# KiCad board Keyboard.kicad_pcb (continued)
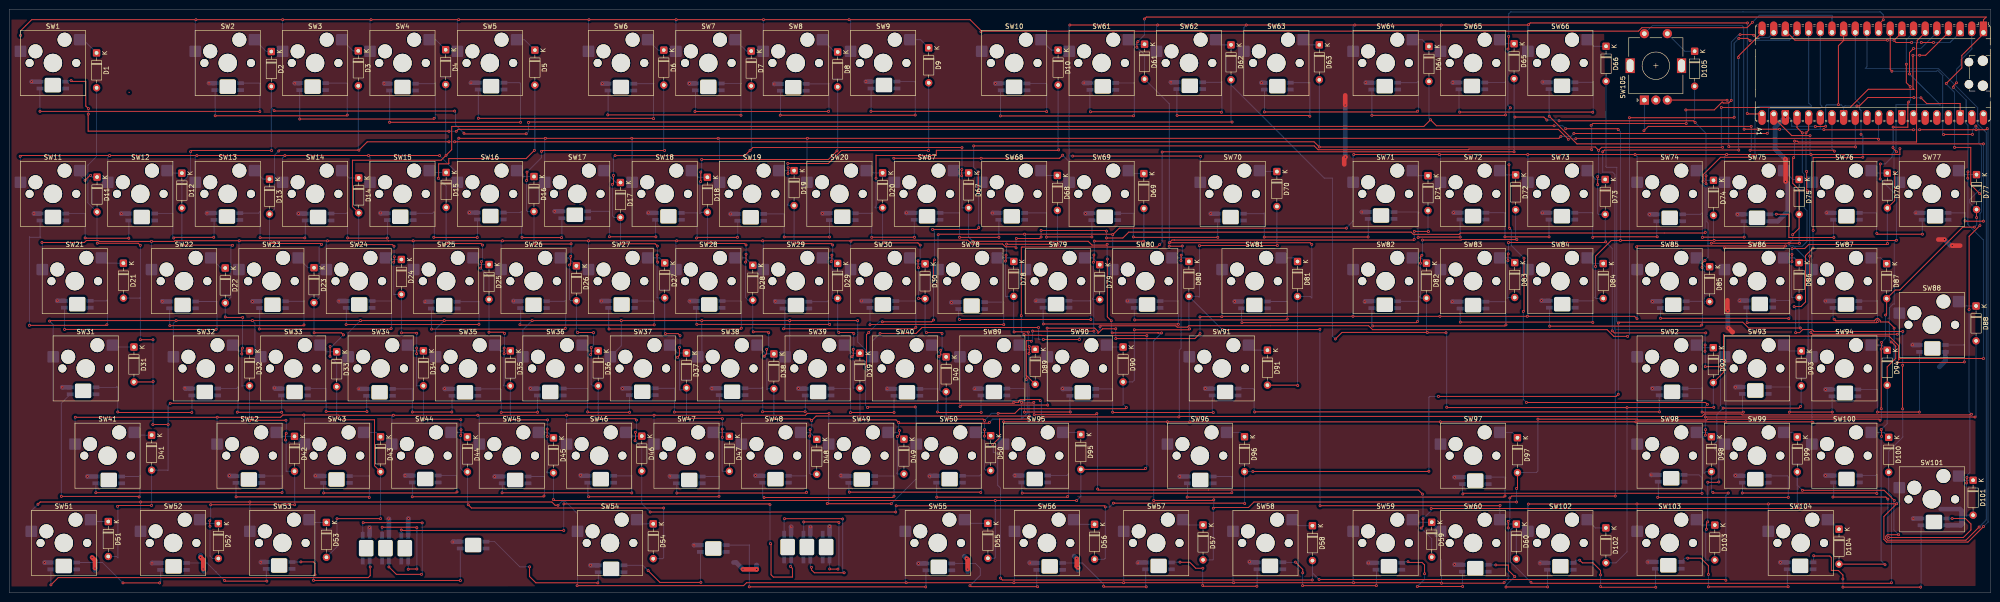
[diagram p0: board, top side]
## Routing (per net, layer and track width the routed paths; a pad name or vN(x,y) marks a point on that pad's centre or on a via; arc(x,y) is an arc through that point) (continued)
COL5: length 694.9
  Top w0.2: v1(328.06,96.28) 251.39,96.28 v1(251.33,96.22) ; v1(107.89,53.42) v1(107.89,52.2) ; v1(107.99,56.63) 107.74,56.89 v1(104.58,56.89) ; v1(109.31,37.76) 117.35,37.76 v1(117.36,37.75) ; v1(390.26,76.3) 390.24,76.32 v1(388.01,76.32) v1(371.07,76.32) ; v1(369.89,89.33) 369.89,91.03 v1(369.9,91.03) ; v1(102.75,70.89) 102.93,71.08 v1(102.93,72.3) ; v1(220.63,60.5) 220.63,75.36 220.77,75.5 220.79,75.49 250.25,75.49 v1(250.8,76.04) ; v1(367.53,102.67) 367.16,103.04 v1(337.86,103.04) ; v1(118.62,20.35) 118.84,20.14 v1(214.96,20.14) 214.96,20.15 v1(232.69,20.15) ; v1(369.04,71.04) 369.04,71.95 v1(369.65,72.56) ; D95.2 247.51,26.94 v1(247.72,27.15) ; v1(335.19,103.21) 334.55,103.85 v1(328.23,103.85) ; v1(114.48,96.59) 112.68,94.79 95.83,94.79 95.83,93.81 95.87,93.77 95.74,93.64 93.62,93.64 93.62,90.56 v1(93.55,90.49) ; 417.67,122.33 415.92,120.58 415.92,120.09 415.8,119.97 415.8,98.41 389.99,98.41 389.8,98.6 v1(389.2,98.6) ; v1(117.29,34.13) 117.27,34.15 v1(117.27,35.77) ; v1(248.01,56.14) 225.04,56.14 224.97,56.22 221.38,56.22 v1(221.22,56.38) ; v1(389,95) 388.8,94.8 388.8,89.4 390.19,88.01 D75.2 390.19,79.59 v1(388.79,78.19) ; v1(95.26,76.24) 102.86,76.24 v1(103.19,75.91)
  Bottom w0.2: v1(93.55,90.49) 95.25,88.78 D15.2 95.25,76.25 v1(95.26,76.24) ; v1(102.93,72.3) 103.19,72.55 v1(103.19,75.91) ; v1(102.75,70.89) 104.6,69.03 D25.2 104.6,56.91 v1(104.58,56.89) ; D85.2 369.55,63.57 369.54,63.57 369.54,63.26 369.54,70.53 v1(369.04,71.04) ; v1(369.65,72.56) 370.34,73.25 370.34,76.26 ; v1(390.26,76.3) 390.19,76.37 D75.2 ; v1(328.06,96.28) 328.06,103.68 v1(328.23,103.85) 328.05,104.04 D65.2 ; v1(389,95) 389.2,95.2 v1(389.2,98.6) ; D95.2 233.61,21.07 v1(232.69,20.15) ; v1(117.36,37.75) 117.37,37.73 117.37,35.87 v1(117.27,35.77) ; 370.34,76.26 370.34,80.77 370.09,81.01 370.09,89.13 v1(369.89,89.33) ; 370.34,76.26 371,76.26 v1(371.07,76.32) ; D5.2 114.6,96.71 v1(114.48,96.59) ; v1(250.8,76.04) 251.33,76.57 v1(251.33,96.22) ; v1(220.63,60.5) 220.63,56.97 v1(221.22,56.38) ; v1(337.86,103.04) 337.69,103.21 v1(335.19,103.21) ; v1(214.96,20.14) 214.96,7.71 214.8,7.55 D55.2 ; v1(107.89,52.2) 107.89,45.42 107.75,45.27 107.85,45.18 D35.2 109.25,37.82 v1(109.31,37.76) ; v1(107.89,53.42) 107.99,53.52 v1(107.99,56.63) ; D105.2 367.41,102.79 v1(367.53,102.67) 369.9,100.3 v1(369.9,91.03) ; v1(118.62,20.35) 118.65,20.38 D45.2 117.27,26.2 117.13,26.34 117.29,26.5 v1(117.29,34.13) ; v1(247.72,27.15) 248.01,27.44 v1(248.01,56.14) ; v1(388.01,76.32) 388.79,77.1 v1(388.79,78.19)
COL6: length 600.5
  Top w0.2: v1(122.41,73.46) 122.41,71.84 v1(122.13,71.56) ; v1(410.68,101.67) 410.71,101.64 413.89,101.64 413.89,106.95 v1(414.08,107.14) ; v1(142.87,96.56) 116.22,96.56 v1(116.04,96.38) ; v1(388.66,75.15) 391.41,75.15 392.28,76.02 409.25,76.02 v1(409.48,76.25) ; v1(193.35,18.99) 238.71,18.99 v1(238.95,18.75) ; v1(126.76,52) 126.88,52.13 v1(126.88,53.53) ; v1(411.42,96.28) 410.65,97.05 v1(410.65,97.21) ; v1(411.02,91.73) 411.02,85.61 D76.2 ; v1(269.34,19.48) 269.24,19.58 v1(240.72,19.58) ; v1(122.49,76.18) 122.45,76.14 v1(114.51,76.14) ; v1(413.56,115.4) 413.56,111.36 v1(414.4,110.52) ; v1(112.88,91.85) 112.88,90.12 v1(112.77,90.02) ; v1(388.63,72.28) v1(388.63,73.89) ; v1(139.72,17.64) v1(193.26,17.64) ; v1(350.77,58.91) 350.94,59.08 377.91,59.08 379.18,57.81 v1(390.46,57.81) ; v1(136.52,35.05) 136.52,33.29 v1(136.44,33.2) ; v1(350.77,43.36) 350.29,42.88 v1(311.56,42.88) ; v1(128.63,38) 136.46,38 v1(136.74,37.72) ; v1(127.38,56.8) 127.36,56.82 v1(123.92,56.82) ; v1(309.48,26.55) 309.42,26.48 v1(271.12,26.48)
  Bottom w0.2: v1(128.63,38) 128.4,38.22 D36.2 127.26,45.18 126.93,45.51 126.86,45.51 126.86,51.9 v1(126.76,52) ; v1(122.49,76.18) 122.49,73.54 v1(122.41,73.46) ; v1(114.51,76.14) 114.4,76.25 D16.2 112.98,83.25 112.77,83.46 v1(112.77,90.02) ; v1(388.63,73.89) 388.63,75.12 v1(388.66,75.15) ; v1(240.72,19.58) 239.89,18.75 v1(238.95,18.75) 238.95,7.47 238.81,7.47 238.66,7.33 D56.2 ; v1(193.35,18.99) 193.26,18.9 v1(193.26,17.64) ; v1(116.04,96.38) 116.04,95.01 v1(112.88,91.85) ; v1(136.52,35.05) 136.74,35.27 v1(136.74,37.72) ; D66.2 348.1,93.12 348.02,93.05 348.19,92.88 350.44,92.88 350.44,59.23 v1(350.77,58.91) 350.77,58.9 v1(350.77,43.36) ; 415.13,122.33 413.56,120.75 v1(413.56,115.4) ; v1(411.02,91.73) 410.87,91.88 410.87,95.72 v1(411.42,96.28) ; v1(414.4,110.52) 414.4,107.46 v1(414.08,107.14) ; D76.2 409.42,76.31 v1(409.48,76.25) ; v1(388.63,72.28) 388.53,72.18 388.53,64.53 388.6,64.47 D86.2 390.18,58.09 v1(390.46,57.81) ; v1(122.13,71.56) 122.13,64.05 122.43,63.75 D26.2 123.65,57.09 v1(123.92,56.82) ; v1(142.87,96.56) 142.7,96.73 D6.2 ; v1(410.65,97.21) 410.68,97.24 v1(410.68,101.67) ; v1(136.44,33.2) 137.9,31.74 D46.2 137.9,19.46 v1(139.72,17.64) ; v1(309.48,26.55) 309.48,42.68 309.48,42.68 309.68,42.88 v1(311.56,42.88) ; v1(269.34,19.48) 269.29,19.53 D96.2 271.09,26.46 v1(271.12,26.48) ; v1(126.88,53.53) 127.38,54.03 v1(127.38,56.8)
COL7: length 616.9
  Top w0.2: v1(262.48,18.47) 262.63,18.62 270.13,18.62 271.34,19.82 v1(328.6,19.82) ; v1(145.67,51.41) 146.1,51.84 v1(146.1,53.56) ; v1(133.3,76.2) 140.8,76.2 v1(141.3,75.7) ; 410.05,122.33 410.05,114.23 v1(410.41,113.87) ; v1(408.18,54.68) 408.18,53.32 v1(408.08,53.22) 408.08,40.21 v1(408.1,40.19) ; v1(207.64,91.04) 207.64,92.37 v1(207.67,92.39) ; v1(427.97,100.07) 421.71,100.07 v1(421.68,100.04) ; v1(251.21,56.73) 251.18,56.7 250.58,56.7 250.45,56.83 250.36,56.75 v1(240.44,56.75) ; v1(132.08,95.44) 160.35,95.44 v1(161.51,96.6) 162.11,97.2 v1(207.7,97.2) ; v1(249.5,20.18) 262.48,20.18 v1(262.6,20.3) ; v1(155.48,37.99) 155.37,38.1 v1(147.71,38.1) ; D77.2 428.86,81.94 v1(428.89,81.91) ; v1(240.25,59.38) 239.38,60.25 v1(239.38,72.87) ; v1(155.43,35.75) 155.43,33.97 v1(155.45,33.94) ; v1(409.03,60.64) 409.27,60.87 D87.2 411.14,66.1 412.13,66.1 425.85,79.83 v1(428.39,79.83) ; v1(131.5,89.17) 131.72,89.4 v1(131.72,91.11) ; v1(210.05,76.74) 235.22,76.74 236.06,75.91 239.16,75.91 v1(239.35,76.09) ; v1(141.23,73.72) 141.23,72.35 v1(141.39,72.19) ; v1(407.84,37.69) 407.61,37.92 370.24,37.92 370.05,37.73 355.05,37.73 354.87,37.92 v1(333.25,37.92) ; v1(143.04,56.58) 145.82,56.58 v1(146.25,56.15) ; v1(328.6,22.78) 328.79,22.97 D97.2
  Bottom w0.2: v1(240.44,56.75) 240.25,56.94 v1(240.25,59.38) ; v1(210.05,76.74) 209.15,77.64 D67.2 207.74,84.04 207.73,84.04 207.73,90.95 v1(207.64,91.04) ; v1(145.67,51.41) 146.16,50.92 146.16,44.31 147.22,44.31 D37.2 147.65,38.16 v1(147.71,38.1) ; v1(428.89,81.91) 428.89,80.32 v1(428.39,79.83) ; v1(207.7,97.2) 207.7,92.43 v1(207.67,92.39) ; v1(131.5,89.17) 131.5,82.3 131.85,81.95 D17.2 133.25,76.24 v1(133.3,76.2) ; v1(408.18,54.68) 409.03,55.53 v1(409.03,60.64) ; v1(155.48,37.99) 155.48,35.8 v1(155.43,35.75) ; v1(408.1,40.19) 408.1,37.95 v1(407.84,37.69) ; D97.2 332.89,26.24 333.25,26.6 v1(333.25,37.92) ; v1(161.51,96.6) 161.75,96.84 D7.2 ; v1(146.25,56.15) 146.25,53.72 v1(146.1,53.56) ; v1(410.41,113.87) 420.16,113.87 420.36,114.07 421.51,112.92 421.51,100.21 v1(421.68,100.04) ; v1(427.97,100.07) 427.97,101.14 v1(428.72,101.9) 428.82,101.9 429.38,101.34 429.38,98.14 429.97,97.56 429.97,88.43 427.37,85.83 427.37,85.16 D77.2 ; v1(251.21,56.73) 249.5,55.02 v1(249.5,20.18) ; v1(141.39,72.19) 141.23,72.04 141.23,64.45 141.26,64.45 141.32,64.39 D27.2 142.9,56.72 v1(143.04,56.58) ; v1(141.3,75.7) 141.3,73.79 v1(141.23,73.72) ; v1(132.08,95.44) 131.72,95.08 v1(131.72,91.11) ; v1(239.35,76.09) 239.35,72.9 v1(239.38,72.87) ; v1(262.6,20.3) 262.6,18.59 v1(262.48,18.47) 262.48,7.29 262.38,7.19 D57.2 ; v1(328.6,22.78) v1(328.6,19.82) ; D47.2 155.56,26.55 155.52,26.59 155.41,26.59 155.41,33.9 v1(155.45,33.94)
COL8: length 792.3
  Top w0.2: v1(222.36,53.79) 222.36,52.28 v1(222.32,52.23) ; v1(166.69,37.97) 174.59,37.97 v1(174.93,37.62) 175.89,38.58 v1(222.41,38.58) 222.41,37.84 222.37,37.79 222.22,37.94 215.87,37.94 215.9,37.91 215.9,33.89 v1(214.41,32.4) ; v1(174.51,34.21) 174.6,34.3 v1(174.6,35.62) ; v1(162.2,56.96) 165.38,56.96 v1(165.58,56.77) ; v1(164.58,51.67) 165.12,52.21 v1(165.12,53.16) ; v1(326.72,118.69) 326.88,118.85 v1(326.88,121.46) ; v1(217.42,76.13) 217.46,76.09 v1(228.65,76.09) ; 407.51,122.33 407.51,124.06 v1(408.54,125.09) ; v1(326.95,93.45) 326.95,79.71 v1(327.1,79.56) ; v1(180.45,96.47) 178.58,94.6 v1(150.96,94.6) ; v1(216.09,3.22) 216.5,2.81 v1(284.05,2.81) ; v1(160.63,75.94) 160.33,76.24 v1(152.11,76.24) ; v1(150.76,91.85) 150.76,89.82 v1(150.73,89.79) ; v1(217.18,72.42) 217.3,72.54 v1(217.3,73.72) ; v1(330.22,73.06) 330.22,61.58 v1(330.07,61.43) ; v1(374.22,2.75) 374.06,2.91 v1(285.55,2.91) ; v1(370.19,41.15) 369.78,41.56 v1(330.74,41.56) ; v1(374.74,21.79) 371.51,21.79 v1(371.38,21.92) ; v1(222.16,56.91) 222.09,56.98 219.09,56.98 v1(219.06,56.95) ; v1(428.54,38.38) v1(369.73,38.38) ; v1(369.8,35.62) 369.8,34.44 v1(369.77,34.41) ; v1(160.63,73.92) 160.63,72.3 v1(160.52,72.19)
  Bottom w0.2: v1(222.41,38.58) 222.32,38.68 v1(222.32,52.23) ; v1(327.1,79.56) 327.43,79.23 327.43,75.85 v1(330.22,73.06) ; v1(222.36,53.79) 222.16,53.99 v1(222.16,56.91) ; v1(370.19,41.15) 369.73,40.69 v1(369.73,38.38) 369.73,35.68 v1(369.8,35.62) ; v1(214.41,32.4) 214.53,32.27 214.53,30.62 215.01,30.62 215.52,30.11 215.48,30.06 215.48,23.48 216.09,22.87 v1(216.09,3.22) ; v1(217.18,72.42) 217.18,64.72 217.32,64.59 217.45,64.72 D78.2 218.99,57.02 v1(219.06,56.95) ; v1(150.96,94.6) 150.96,92.05 v1(150.76,91.85) ; v1(326.95,93.45) 326.94,93.46 326.94,105.57 v1(327.24,105.87) 326.72,106.39 v1(326.72,118.69) ; v1(150.73,89.79) 150.57,89.63 150.57,82.79 150.87,83.09 D18.2 152.2,76.33 v1(152.11,76.24) ; v1(217.42,76.13) 217.42,73.83 v1(217.3,73.72) ; v1(369.77,34.41) 369.39,34.03 369.39,26.13 369.54,26.13 369.86,26.45 D98.2 371.07,22.23 v1(371.38,21.92) ; v1(228.65,76.09) 228.5,76.24 D68.2 ; v1(165.12,53.16) 165.58,53.61 v1(165.58,56.77) ; v1(160.63,75.94) v1(160.63,73.92) ; v1(330.74,41.56) 330.07,42.23 v1(330.07,61.43) ; v1(374.74,21.79) 374.22,21.27 v1(374.22,2.75) ; v1(164.58,51.67) 165.17,51.08 165.17,44.42 165.23,44.42 165.35,44.54 D38.2 166.7,37.97 v1(166.69,37.97) ; D88.2 428.76,38.6 v1(428.54,38.38) ; D48.2 174.69,25.89 174.5,26.07 174.42,26.07 174.42,34.12 v1(174.51,34.21) ; v1(408.54,125.09) 408.54,126.2 407.93,126.81 327.34,126.81 326.88,126.35 v1(326.88,121.46) ; v1(174.6,35.62) 174.93,35.95 v1(174.93,37.62) ; v1(284.05,2.81) 284.1,2.85 D58.2 284.1,4.36 v1(285.55,2.91) ; v1(180.45,96.47) 180.6,96.62 D8.2 ; v1(160.52,72.19) 160.52,64.45 161.08,63.89 D28.2 162.1,57.06 v1(162.2,56.96)
COL9: length 648.7
  Top w0.2: v1(236.45,57.11) 223.12,57.11 v1(223.09,57.14) ; v1(223.37,41.59) 223.23,41.45 220.8,41.45 v1(220.66,41.59) ; v1(236.36,72.16) 236.45,72.26 v1(236.45,73.74) ; 221.79,47.4 221.72,47.47 221.72,54.98 221.78,55.05 222.69,55.05 v1(222.82,54.92) ; 221.79,47.4 221.79,46.63 v1(221.72,46.56) ; 221.79,47.4 D89.2 ; v1(237.1,39.12) 236.86,38.88 223.44,38.88 v1(223.44,38.88) ; v1(171.06,76.22) 179.22,76.22 v1(179.51,75.93) ; v1(179.19,72.32) 179.35,72.48 v1(179.35,73.72) ; v1(169.8,92.82) 169.8,91.56 v1(169.77,91.53) ; v1(194.07,35.4) 194.07,34.6 v1(193.61,34.14) ; v1(411.9,12.69) 409.42,12.69 409.07,12.33 409.07,11.84 409.42,11.49 426.55,11.49 v1(429.43,14.37) ; v1(183.74,51.54) 184,51.8 v1(184,53.15) ; v1(390.3,18.5) 390.2,18.4 v1(309.98,18.4) ; v1(169.74,93.72) 178.58,93.72 181.39,96.53 v1(200.39,96.53) ; v1(308.08,21.56) 307.18,22.45 261.47,22.45 261.47,22.45 237.47,22.45 v1(237.26,22.66) ; v1(308.21,16.17) 308.21,14.56 v1(307.79,14.14) ; v1(410.92,20.18) 408.71,22.39 v1(390.91,22.39) ; v1(184.13,56.6) 183.9,56.83 v1(180.83,56.83) ; v1(247.34,76.78) v1(236.54,76.78) ; v1(213.7,37.22) 213.52,37.03 194.05,37.03 v1(193.9,37.18) 193.32,37.76 v1(185.67,37.76)
  Bottom w0.2: v1(184.13,56.6) 184.13,53.28 v1(184,53.15) ; v1(237.26,22.66) 237.26,38.95 v1(237.1,39.12) ; D69.2 247.35,76.79 v1(247.34,76.78) ; D9.2 200.45,96.59 v1(200.39,96.53) ; v1(171.06,76.22) 171.1,76.27 D19.2 169.81,84.55 169.67,84.69 169.77,84.79 v1(169.77,91.53) ; 220.65,37.92 214.4,37.92 v1(213.7,37.22) ; 220.65,37.92 221.91,39.19 221.91,46.36 v1(221.72,46.56) ; 220.65,37.92 220.66,37.94 v1(220.66,41.59) ; v1(236.45,73.74) 236.54,73.83 v1(236.54,76.78) ; D59.2 310.1,11.83 v1(307.79,14.14) ; v1(411.9,12.69) 410.84,13.75 410.84,20.1 v1(410.92,20.18) ; v1(180.83,56.83) 180.6,57.06 D29.2 179.45,64.29 179.45,64.28 179.45,72.06 v1(179.19,72.32) ; v1(236.36,72.16) 236.36,64.4 236.15,64.19 236.32,64.02 236.43,64.02 ; v1(169.8,92.82) 169.74,92.89 v1(169.74,93.72) ; v1(223.44,38.88) 223.44,41.52 v1(223.37,41.59) ; 404.97,122.33 404.97,114.84 404.6,114.47 420.53,114.47 429.13,105.87 429.13,102.34 430.97,100.5 430.97,15.91 v1(429.43,14.37) ; v1(179.35,73.72) 179.51,73.88 v1(179.51,75.93) ; 236.43,64.02 D79.2 ; 236.43,64.02 236.43,57.14 v1(236.45,57.11) ; v1(308.08,21.56) 308.21,21.43 v1(308.21,16.17) 309.98,17.95 v1(309.98,18.4) ; v1(185.67,37.76) 185.45,37.98 D39.2 184,44.69 183.96,44.73 183.96,51.31 v1(183.74,51.54) ; v1(194.07,35.4) 193.9,35.56 v1(193.9,37.18) ; D49.2 193.64,25.95 193.48,26.11 193.61,26.24 v1(193.61,34.14) ; v1(390.91,22.39) 389.79,23.51 D99.2 389.79,19.01 v1(390.3,18.5) ; v1(222.82,54.92) 223.09,55.2 v1(223.09,57.14)
COL10: length 637.3
  Top w0.2: v1(212.6,37.63) 212.3,37.92 v1(204.53,37.92) ; v1(198.59,75.91) 198.11,76.39 v1(190.62,76.39) ; v1(412.74,40.16) 412.74,49.66 v1(412.76,49.68) ; v1(199.95,56.8) 203.17,56.8 v1(203.37,56.61) ; v1(403.69,100.1) 403.78,100.01 ; v1(325,19.08) 324.94,19.01 v1(285.76,19.01) ; v1(245.27,57.42) 257.12,57.42 v1(257.31,57.61) ; v1(389.43,56.79) 390.29,56.79 390.96,57.46 393,57.46 393.4,57.06 v1(412.79,57.06) ; v1(393.23,75.26) 391.57,73.6 391.57,63.56 391.61,63.52 390.58,62.49 v1(389.1,62.49) ; v1(276.44,75.82) 259.51,75.82 v1(259.47,75.78) ; v1(228.79,96.69) 228.69,96.6 202.1,96.6 202.1,95.47 189.03,95.47 188.97,95.53 v1(188.97,90.5) ; v1(285.73,57.54) 285.66,57.48 v1(264.46,57.48) ; v1(404.08,95.08) 404.01,95.01 393.24,95.01 393.24,79.13 v1(393.25,79.12) ; v1(215.58,39.19) 219.23,39.19 220.23,40.19 243.27,40.19 v1(243.53,40.45) ; v1(198.24,70.97) 198.13,71.07 v1(198.13,72.48) ; v1(202.71,51.63) 203.07,51.99 v1(203.07,52.96) ; v1(212.63,35.62) 212.63,34.25 v1(212.6,34.21) ; v1(331.73,2.31) 331.96,2.09 410.2,2.09 v1(410.32,2.2) ; v1(198.24,64.26) 199.58,64.26 D30.2
  Bottom w0.2: v1(198.24,70.97) v1(198.24,64.26) ; v1(199.95,56.8) 199.65,57.1 D30.2 ; v1(285.76,19.01) 285.73,19.05 v1(285.73,57.54) ; v1(412.74,40.16) 412.79,40.11 412.79,33.99 409.72,30.92 D100.2 409.72,21.75 410.32,21.16 v1(410.32,2.2) ; v1(203.07,52.96) 203.37,53.25 v1(203.37,56.61) ; v1(228.79,96.69) 228.65,96.83 D10.2 ; v1(331.73,2.31) 327.28,6.77 327.28,13.83 327.37,13.83 D60.1 ; v1(245.27,57.42) 245.27,46.42 244.9,46.04 D90.2 242.82,41.16 v1(243.53,40.45) ; D70.2 276.35,75.91 v1(276.44,75.82) ; D60.1 D60.2 ; D60.1 325.9,15.01 SW60.2 324.94,19.02 v1(325,19.08) ; v1(393.23,75.26) 393.23,79.1 v1(393.25,79.12) ; v1(264.46,57.48) 264.41,57.48 D80.2 ; v1(404.08,95.08) 404.08,99.71 v1(403.69,100.1) 403.69,105.28 403.38,105.59 403.38,106.81 402.43,107.76 402.43,122.33 ; v1(257.31,57.61) 257.17,57.75 D80.2 ; v1(212.63,35.62) 212.6,35.65 v1(212.6,37.63) 214.15,39.19 v1(215.58,39.19) ; v1(412.76,49.68) 412.76,57.03 v1(412.79,57.06) ; D50.2 213.85,26.79 212.85,26.79 212.6,27.05 v1(212.6,34.21) ; v1(198.59,75.91) 198.59,72.95 v1(198.13,72.48) ; v1(188.97,90.5) 188.97,84.4 188.74,84.17 188.87,84.05 D20.2 190.4,76.61 v1(190.62,76.39) ; v1(389.1,62.49) 389.43,62.16 v1(389.43,56.79) ; D80.2 259.2,64.72 259.34,64.58 259.47,64.58 v1(259.47,75.78) ; v1(202.71,51.63) 202.85,51.49 202.85,44.32 203.17,43.99 204.15,43.99 D40.2 204.25,38.2 v1(204.53,37.92)
RGB: length 412.8
  Top w0.2: v1(17.27,105.7) 16.7,106.27 16.7,111.64 13.69,111.64 v1(13.5,111.83) ; v1(339.88,99.01) 337.71,101.18 97.88,101.18 v1(97.45,100.75) ; v1(341.49,99.11) 341.59,99.21 407.32,99.21 v1(407.52,99.01) ; v1(17.24,104.5) 17.21,104.47 17.21,100.78 95.84,100.78 v1(95.87,100.76)
  Bottom w0.2: v1(339.88,99.01) 339.98,99.11 v1(341.49,99.11) ; v1(95.87,100.76) 95.88,100.75 v1(97.45,100.75) ; v1(407.52,99.01) 407.51,99.02 A1.31 ; L1.4 12.56,111.83 v1(13.5,111.83) ; v1(17.24,104.5) 17.24,105.67 v1(17.27,105.7)
ROW1: length 467.1
  Top w0.2: v1(2.47,121.68) 2.47,122.68 4.91,125.12 v1(40.72,125.12) v1(59.63,125.12) v1(78.89,125.12) v1(97.96,125.12) v1(126.39,125.12) v1(145.4,125.12) v1(164.44,125.12) v1(183.1,125.12) 209.47,125.12 211.84,122.74 v1(211.84,122.5) 211.95,122.62 355.18,122.62 355.92,123.36 378.82,123.36 v1(380,124.54)
  Bottom w0.2: v1(164.44,125.12) 164.38,125.06 SW8.1 ; SW9.1 183.43,124.79 v1(183.1,125.12) ; v1(40.72,125.12) 40.55,124.95 SW2.1 ; SW5.1 97.7,124.85 v1(97.96,125.12) ; SW6.1 126.28,125 v1(126.39,125.12) ; v1(145.4,125.12) 145.33,125.04 SW7.1 ; v1(211.84,122.5) 212,122.34 SW10.1 ; SW3.1 59.6,125.09 v1(59.63,125.12) ; SW4.1 78.65,124.88 v1(78.89,125.12) ; v1(2.47,121.68) 2.45,121.65 SW1.1 ; v1(380,124.54) 381.53,126.07 397.38,126.07 397.38,125.45 397.35,125.42 397.35,122.33
ROW2: length 496.4
  Top w0.2: v1(98.02,99.25) 98.05,99.22 v1(116.88,99.22) v1(135.73,99.22) v1(154.55,99.22) v1(174.01,99.22) 337.83,99.22 v1(338.26,99.65) ; v1(93.83,95.46) v1(78.33,95.46) v1(60.11,95.46) v1(40.92,95.46) v1(21.88,95.46) 2.56,95.46 v1(2.39,95.29) ; v1(383.26,100.31) 383.23,100.28 v1(341.09,100.28)
  Bottom w0.2: v1(135.73,99.22) 135.8,99.15 SW18.1 ; v1(341.09,100.28) 340.46,99.65 v1(338.26,99.65) ; 394.81,122.33 394.81,106.61 395.19,106.23 394.76,105.8 383.5,105.8 383.5,100.55 v1(383.26,100.31) ; SW20.1 173.9,99.12 v1(174.01,99.22) ; v1(60.11,95.46) 59.6,94.95 SW14.1 ; SW11.1 2.45,95.22 v1(2.39,95.29) ; SW13.1 40.55,95.09 v1(40.92,95.46) ; SW15.1 78.65,95.13 v1(78.33,95.46) ; v1(154.55,99.22) 154.85,98.92 SW19.1 ; v1(93.83,95.46) 97.7,91.58 SW16.1 97.7,98.93 v1(98.02,99.25) ; SW12.1 21.5,95.08 v1(21.88,95.46) ; SW17.1 116.75,99.09 v1(116.88,99.22)
ROW3: length 497.2
  Top w0.2: v1(224.95,77.68) 224.61,77.34 v1(219.55,77.34) ; v1(239.19,78.96) 239.04,79.11 v1(224.95,79.11) ; v1(369.27,89.86) 369.27,91.28 373.07,95.08 v1(380.03,95.08) ; v1(369.74,78.68) 369.61,78.55 316.35,78.55 316.06,78.26 306.1,78.26 305.62,78.74 244.05,78.74 242.77,77.46 v1(239.2,77.46) ; v1(7.14,76.48) 16.4,76.48 16.84,76.92 19.45,76.92 19.65,76.72 v1(31.02,76.72) 35.98,76.72 36.12,76.86 v1(50.16,76.86) 57.07,76.86 57.1,76.83 v1(69.39,76.83) 82.67,76.83 82.68,76.84 v1(88.07,76.84) v1(107.53,76.84) v1(126.28,76.84) v1(145.51,76.84) v1(164.26,76.84) 183.42,76.84 v1(183.49,76.77) 183.71,76.99 208.95,76.99 209.8,76.14 216.56,76.14 217.17,75.53 219.26,75.53 v1(219.49,75.3)
  Bottom w0.2: v1(31.02,76.72) 31.03,76.71 SW22.1 ; v1(7.14,76.48) 7.21,76.41 SW21.1 ; v1(183.49,76.77) 183.43,76.71 SW30.1 ; SW24.1 69.13,76.57 v1(69.39,76.83) ; v1(219.55,77.34) 219.47,77.26 219.47,75.32 v1(219.49,75.3) ; SW28.1 145.33,76.66 v1(145.51,76.84) ; v1(88.07,76.84) 88.18,76.73 SW25.1 ; v1(50.16,76.86) 50.08,76.78 SW23.1 ; v1(126.28,76.84) 126.28,76.84 SW27.1 ; v1(239.2,77.46) 239.19,77.47 v1(239.19,78.96) ; SW26.1 107.23,76.54 v1(107.53,76.84) ; 392.27,122.33 392.27,106.93 392.89,106.31 392.89,106.2 384.57,106.2 384.56,106.21 381.23,106.21 380.55,105.53 380.55,95.6 v1(380.03,95.08) ; v1(164.26,76.84) 164.38,76.72 SW29.1 ; v1(224.95,77.68) v1(224.95,79.11) ; v1(369.74,78.68) 369.69,78.73 369.69,88.68 369.27,89.11 v1(369.27,89.86)
ROW4: length 539.3
  Top w0.2: v1(8.81,59.33) 8.91,59.42 v1(36.4,59.42) v1(53.02,59.42) v1(76.57,59.42) v1(94.84,59.42) v1(114.01,59.42) v1(133.43,59.42) v1(150.99,59.42) v1(170.16,59.42) v1(184.97,59.42) ; v1(225.44,55.29) 225.46,55.31 v1(233.29,55.31) ; v1(237.79,58.09) 237.99,58.29 254.33,58.29 254.62,58 256.85,58 257.16,58.31 296.35,58.31 297.21,57.45 348.34,57.45 349.8,55.99 v1(352.81,55.99) ; v1(379.48,120.54) 378.99,121.03 v1(377.05,121.03) ; v1(224.38,57.91) 198.99,57.91 197.72,56.64 v1(189.84,56.64) ; v1(376.03,103.8) 375.94,103.71 v1(353.2,103.71)
  Bottom w0.2: SW39.1 170.16,52.54 v1(170.16,59.42) ; v1(377.05,121.03) 376.03,120.01 v1(376.03,103.8) ; SW38.1 150.99,52.42 v1(150.99,59.42) ; 389.73,122.33 388.04,120.64 379.57,120.64 v1(379.48,120.54) 379.52,120.5 ; v1(36.4,59.42) 35.79,58.81 SW32.1 ; SW34.1 73.89,56.74 v1(76.57,59.42) ; v1(184.97,59.42) 184.97,54.75 SW40.1 188.19,54.99 v1(189.84,56.64) ; v1(352.81,55.99) 353.2,56.38 v1(353.2,103.71) ; v1(8.81,59.33) 9.6,58.54 SW31.1 ; SW36.1 111.99,57.41 v1(114.01,59.42) ; v1(233.29,55.31) 233.29,55.86 234.02,56.59 234.1,56.51 236.7,56.51 237.79,57.6 v1(237.79,58.09) ; v1(133.43,59.42) 133.43,53.92 SW37.1 ; v1(224.38,57.91) 224.38,55.39 224.48,55.29 v1(225.44,55.29) ; v1(53.02,59.42) 53.57,58.87 53.57,52.8 SW33.1 ; SW35.1 92.94,57.52 v1(94.84,59.42)
ROW5: length 561.9
  Top w0.2: v1(190.33,59.16) 201.1,59.16 v1(201.49,59.55) ; v1(197.53,40.57) 187.25,40.57 v1(187.12,40.44) ; v1(344.85,102.06) 345.23,102.44 v1(365.58,102.44) ; v1(211.36,79.72) 210.97,79.33 v1(201.3,79.33) ; v1(211.23,91.88) 211.24,91.87 v1(211.24,87.47) ; v1(187.38,56.85) 186.9,56.37 v1(186.9,49.28) ; v1(201.69,72.69) 201.51,72.51 v1(201.51,68.34) ; v1(380.32,121.71) 380.18,121.85 v1(377.32,121.85) ; v1(344.98,96.73) 344.83,96.88 318.23,96.88 318.07,96.72 285.34,96.72 284.5,97.56 v1(210.25,97.56) ; v1(14.41,38.33) v1(45.36,38.33) 59.17,38.33 59.66,38.82 v1(64.23,38.82) 71.73,38.82 71.78,38.77 v1(83.76,38.77) v1(102.15,38.77) v1(121.51,38.77) v1(140.58,38.77) v1(159.69,38.77) 173.59,38.77 174,39.19 v1(178.72,39.19) ; v1(178.33,19.48) 178.35,19.46 v1(192.29,19.46) ; v1(375.4,107.5) 374.83,106.93 373.64,106.93 373.42,107.15 371.69,105.42 v1(365.49,105.42)
  Bottom w0.2: v1(211.24,87.47) 211.36,87.35 v1(211.36,79.72) ; SW47.1 140.56,38.75 v1(140.58,38.77) ; v1(201.49,59.55) 201.51,59.57 v1(201.51,68.34) ; 384.65,122.33 383.52,121.19 380.84,121.19 v1(380.32,121.71) ; v1(64.23,38.82) 64.37,38.69 SW43.1 ; v1(197.53,40.57) 197.71,40.39 SW50.1 197.71,24.88 v1(192.29,19.46) ; v1(45.36,38.33) 45.31,38.29 SW42.1 ; SW46.1 121.52,38.77 v1(121.51,38.77) ; SW48.1 159.61,38.7 v1(159.69,38.77) ; v1(377.32,121.85) 377.02,121.85 375.4,120.23 v1(375.4,107.5) ; v1(201.69,72.69) 201.69,78.94 v1(201.3,79.33) ; v1(210.25,97.56) 210.25,92.86 v1(211.23,91.88) ; v1(83.76,38.77) 83.42,38.43 SW44.1 ; v1(365.49,105.42) 365.58,105.33 v1(365.58,102.44) ; v1(187.12,40.44) 186.69,40.87 186.69,49.07 v1(186.9,49.28) ; v1(344.98,96.73) 344.98,101.93 v1(344.85,102.06) ; v1(190.33,59.16) 189.67,59.16 187.38,56.87 v1(187.38,56.85) ; v1(178.72,39.19) 178.66,39.12 SW49.1 178.66,19.81 v1(178.33,19.48) ; v1(14.41,38.33) 14.36,38.28 SW41.1 ; v1(102.15,38.77) 102.47,38.45 SW45.1
ROW6: length 602.3
  Top w0.2: v1(326.78,15.61) 326.78,14.16 v1(326.78,14.16) ; v1(376.95,116.84) 376.95,117.16 382.11,122.33 ; v1(327.13,20.71) 327.54,21.12 v1(350.11,21.12) ; v1(325.88,2.24) 325.75,2.11 v1(312.24,2.11) 312.14,2.21 v1(293.08,2.21) v1(266.94,2.21) v1(242.93,2.21) v1(219.02,2.21) v1(195.54,2.21) 160.73,2.21 160.1,1.57 123.81,1.57 v1(123.8,1.58) ; v1(119.64,19.12) 119.01,19.12 118.3,19.83 v1(52.46,19.83) v1(28.65,19.83) 6.76,19.83 v1(6.27,19.34) ; v1(347.38,96.28) 347.76,96.66 v1(377.04,96.66)
  Bottom w0.2: SW55.1 195.33,2.42 v1(195.54,2.21) ; v1(293.08,2.21) 292.96,2.32 292.96,13.43 ; SW51.1 4.83,17.9 v1(6.27,19.34) ; SW56.1 219.15,2.33 v1(219.02,2.21) ; v1(28.65,19.83) 28.65,19.82 SW52.1 ; v1(376.95,116.84) 376.95,96.75 v1(377.04,96.66) ; v1(312.24,2.11) 312.24,7.14 312.01,7.37 SW60.1 ; v1(326.78,14.16) 326.78,3.14 v1(325.88,2.24) ; v1(123.8,1.58) 123.9,1.67 SW54.1 123.9,17.29 121.18,20.01 120.54,20.01 v1(119.64,19.12) ; v1(347.38,96.28) 347.38,91.87 347.34,91.83 349.51,91.83 350.03,91.31 350.03,57.45 350.11,57.37 v1(350.11,21.12) ; v1(327.13,20.71) 327.13,15.96 v1(326.78,15.61) ; SW57.1 242.96,2.23 v1(242.93,2.21) ; v1(52.46,19.83) 52.46,19.82 SW53.1 ; v1(266.94,2.21) 266.77,2.38 SW58.1